# KiCad board helios-panel.kicad_pcb (continued)
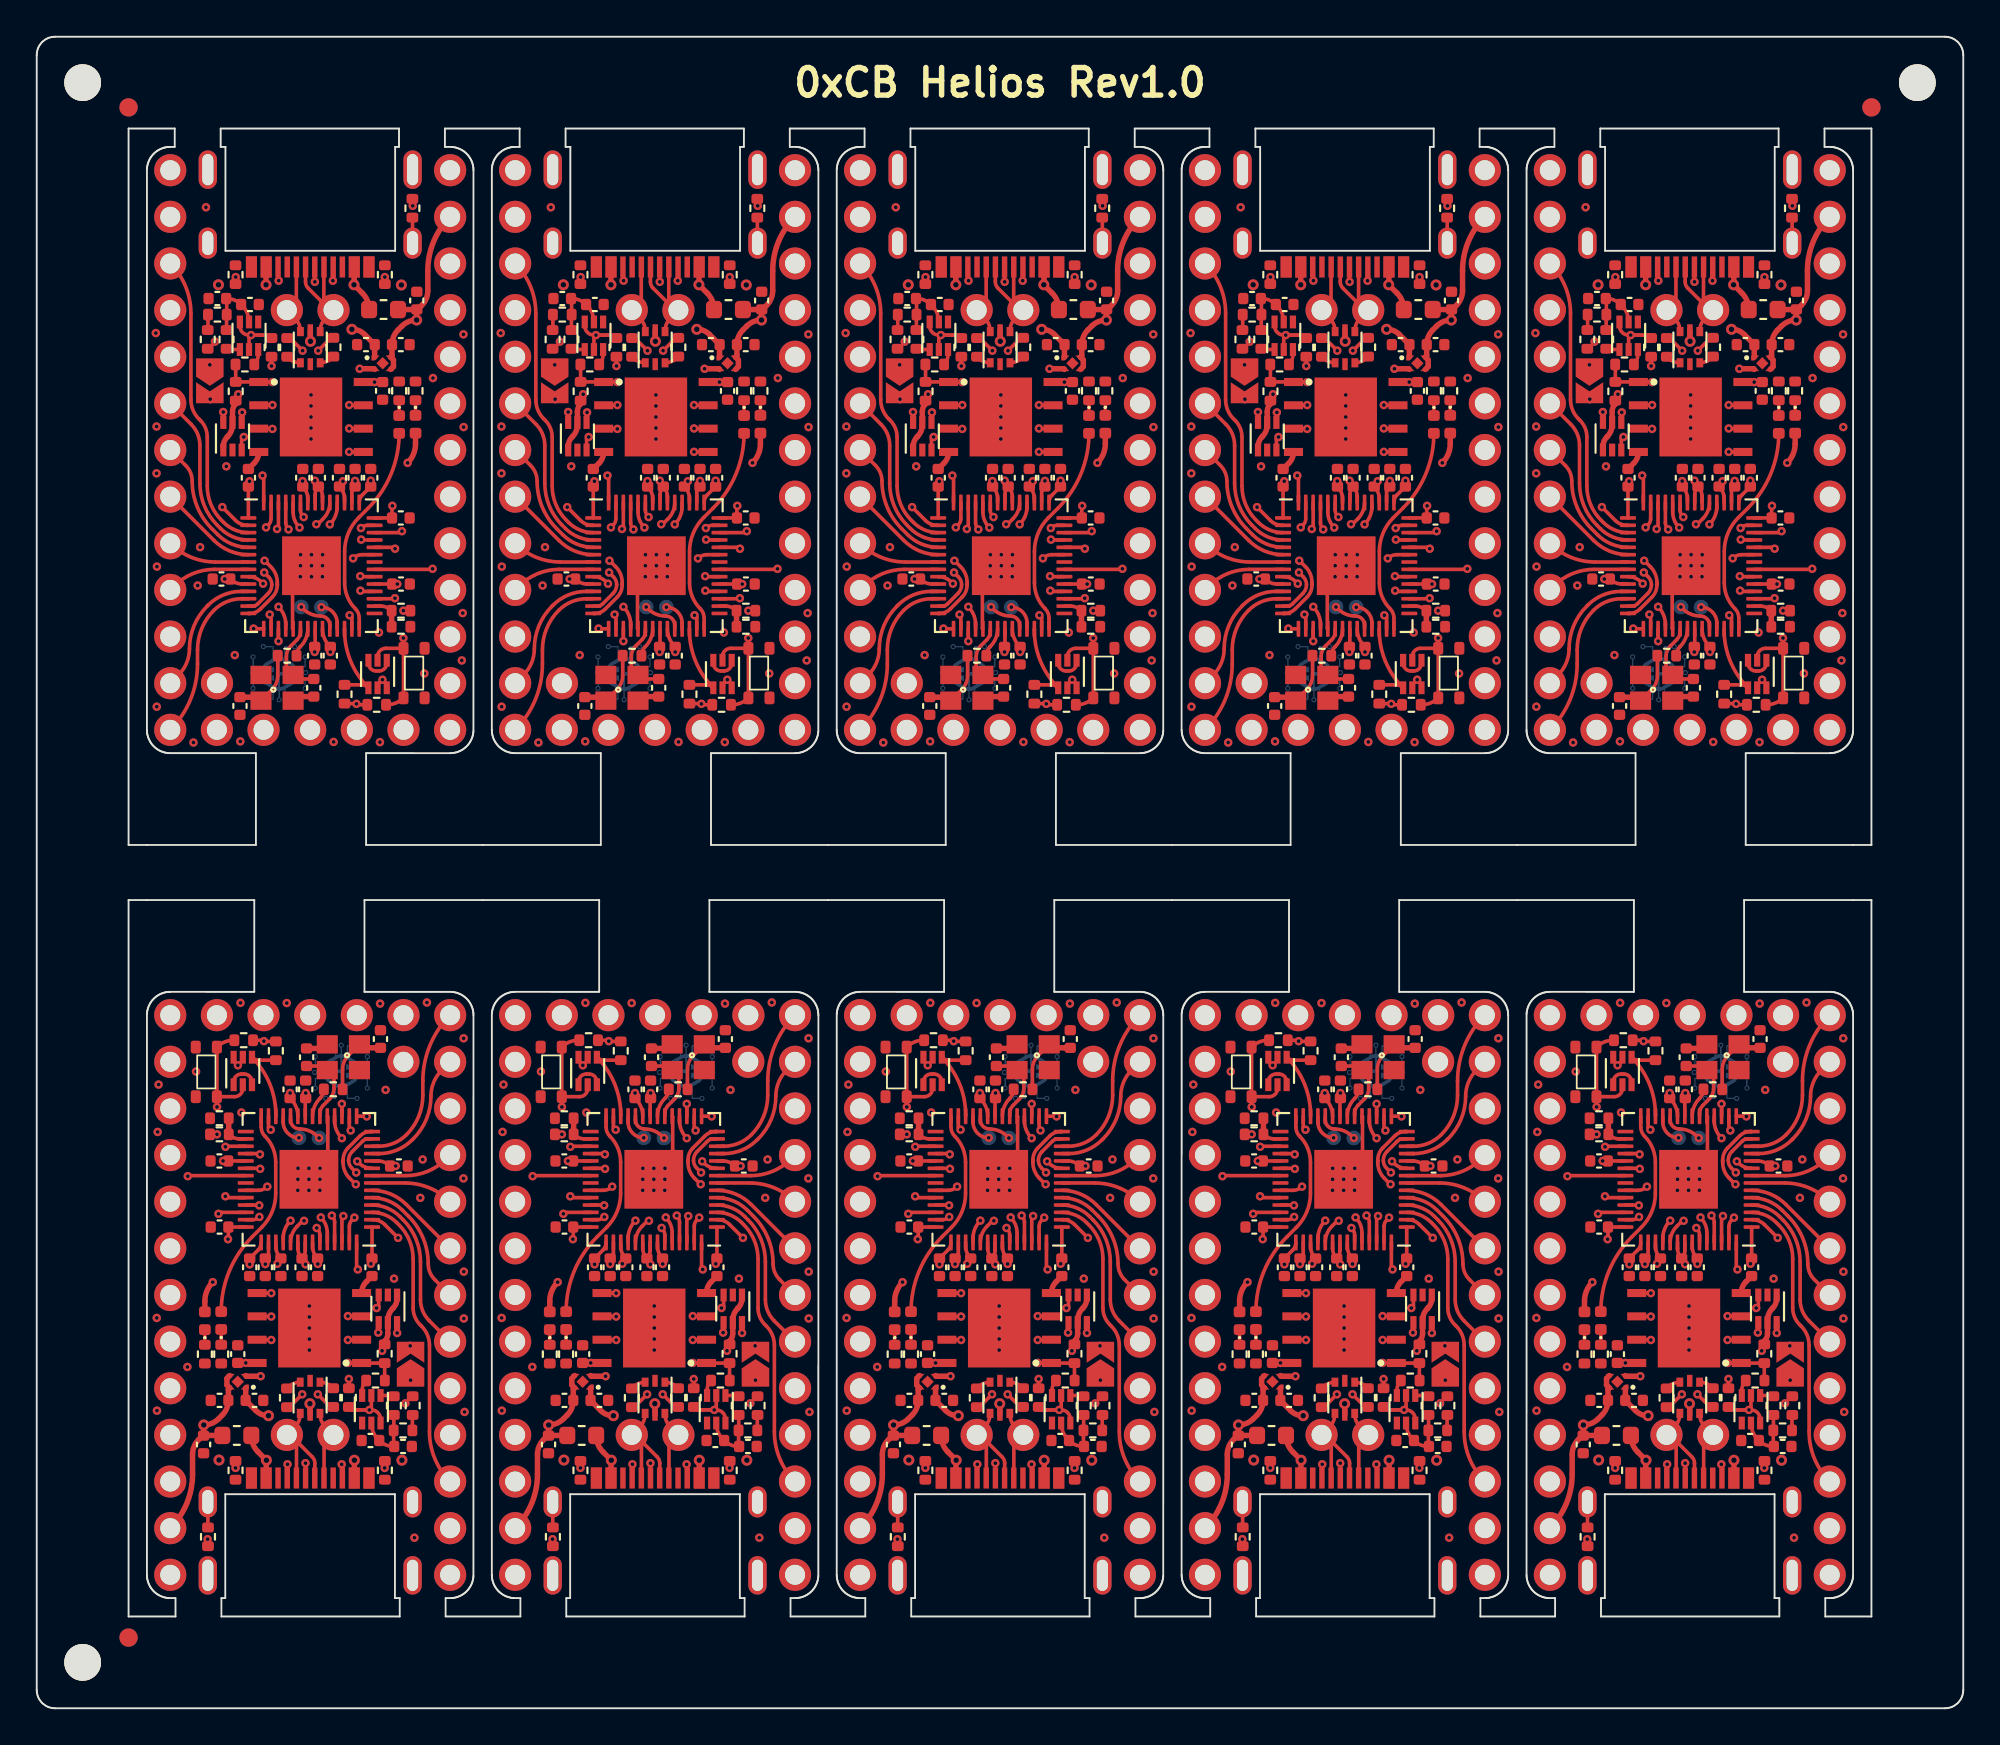
[diagram p0: board, top side]
## Placement (name value [footprint] x y rotation side) (continued)
R6#6  51K  [R_0402_1005Metric]  65.65 74.56 270 top
R6#7  51K  [R_0402_1005Metric]  95.59 16.48 90 top
R6#8  51K  [R_0402_1005Metric]  39.25 16.48 90 top
R6#9  51K  [R_0402_1005Metric]  84.43 74.56 270 top
R6#10  51K  [R_0402_1005Metric]  76.81 16.48 90 top
R7  5k1  [R_0402_1005Metric]  18.95 78.08 270 top
R7#2  5k1  [R_0402_1005Metric]  75.3 78.08 270 top
R7#3  5k1  [R_0402_1005Metric]  94.08 78.08 270 top
R7#4  5k1  [R_0402_1005Metric]  85.94 12.96 90 top
R7#5  5k1  [R_0402_1005Metric]  10.82 12.96 90 top
R7#6  5k1  [R_0402_1005Metric]  56.52 78.08 270 top
R7#7  5k1  [R_0402_1005Metric]  67.17 12.96 90 top
R7#8  5k1  [R_0402_1005Metric]  37.73 78.08 270 top
R7#9  5k1  [R_0402_1005Metric]  48.38 12.96 90 top
R7#10  5k1  [R_0402_1005Metric]  29.6 12.96 90 top
R8  5k1  [R_0402_1005Metric]  48.38 78.08 270 top
R8#2  5k1  [R_0402_1005Metric]  10.82 78.08 270 top
R8#3  5k1  [R_0402_1005Metric]  37.73 12.96 90 top
R8#4  5k1  [R_0402_1005Metric]  85.94 78.08 270 top
R8#5  5k1  [R_0402_1005Metric]  18.95 12.96 90 top
R8#6  5k1  [R_0402_1005Metric]  29.6 78.08 270 top
R8#7  5k1  [R_0402_1005Metric]  94.08 12.96 90 top
R8#8  5k1  [R_0402_1005Metric]  56.52 12.96 90 top
R8#9  5k1  [R_0402_1005Metric]  67.17 78.08 270 top
R8#10  5k1  [R_0402_1005Metric]  75.3 12.96 90 top
R9  1K  [R_0402_1005Metric]  93.56 17.85 180 top
R9#2  1K  [R_0402_1005Metric]  11.34 73.19 0 top
R9#3  1K  [R_0402_1005Metric]  74.78 17.85 180 top
R9#4  1K  [R_0402_1005Metric]  48.9 73.19 0 top
R9#5  1K  [R_0402_1005Metric]  67.67 73.19 0 top
R9#6  1K  [R_0402_1005Metric]  86.45 73.19 0 top
R9#7  1K  [R_0402_1005Metric]  37.23 17.85 180 top
R9#8  1K  [R_0402_1005Metric]  30.12 73.19 0 top
R9#9  1K  [R_0402_1005Metric]  56 17.85 180 top
R9#10  1K  [R_0402_1005Metric]  18.45 17.85 180 top
R10  1k  [R_0402_1005Metric]  27.94 19.29 270 top
R10#2  1k  [R_0402_1005Metric]  20.62 71.75 90 top
R10#3  1k  [R_0402_1005Metric]  9.16 19.29 270 top
R10#4  1k  [R_0402_1005Metric]  39.41 71.75 90 top
R10#5  1k  [R_0402_1005Metric]  76.97 71.75 90 top
R10#6  1k  [R_0402_1005Metric]  84.28 19.29 270 top
R10#7  1k  [R_0402_1005Metric]  95.75 71.75 90 top
R10#8  1k  [R_0402_1005Metric]  65.5 19.29 270 top
R10#9  1k  [R_0402_1005Metric]  46.72 19.29 270 top
R10#10  1k  [R_0402_1005Metric]  58.19 71.75 90 top
R11  10k  [R_0402_1005Metric]  48.4 71.73 90 top
R11#2  10k  [R_0402_1005Metric]  10.84 71.73 90 top
R11#3  10k  [R_0402_1005Metric]  18.95 19.31 270 top
R11#4  10k  [R_0402_1005Metric]  94.06 19.31 270 top
R11#5  10k  [R_0402_1005Metric]  85.95 71.73 90 top
R11#6  10k  [R_0402_1005Metric]  29.62 71.73 90 top
R11#7  10k  [R_0402_1005Metric]  75.28 19.31 270 top
R11#8  10k  [R_0402_1005Metric]  67.17 71.73 90 top
R11#9  10k  [R_0402_1005Metric]  37.73 19.31 270 top
R11#10  10k  [R_0402_1005Metric]  56.5 19.31 270 top
R12  27R  [R_0402_1005Metric]  88.75 74.12 90 top
R12#2  27R  [R_0402_1005Metric]  91.27 16.92 270 top
R12#3  27R  [R_0402_1005Metric]  16.14 16.92 270 top
R12#4  27R  [R_0402_1005Metric]  69.97 74.12 90 top
R12#5  27R  [R_0402_1005Metric]  34.92 16.92 270 top
R12#6  27R  [R_0402_1005Metric]  51.19 74.12 90 top
R12#7  27R  [R_0402_1005Metric]  72.48 16.92 270 top
R12#8  27R  [R_0402_1005Metric]  32.41 74.12 90 top
R12#9  27R  [R_0402_1005Metric]  53.7 16.92 270 top
R12#10  27R  [R_0402_1005Metric]  13.64 74.12 90 top
R13  27R  [R_0402_1005Metric]  16.16 74.13 90 top
R13#2  27R  [R_0402_1005Metric]  51.19 16.91 270 top
R13#3  27R  [R_0402_1005Metric]  69.97 16.91 270 top
R13#4  27R  [R_0402_1005Metric]  72.5 74.13 90 top
R13#5  27R  [R_0402_1005Metric]  88.75 16.91 270 top
R13#6  27R  [R_0402_1005Metric]  13.62 16.91 270 top
R13#7  27R  [R_0402_1005Metric]  53.72 74.13 90 top
R13#8  27R  [R_0402_1005Metric]  91.28 74.13 90 top
R13#9  27R  [R_0402_1005Metric]  32.41 16.91 270 top
R13#10  27R  [R_0402_1005Metric]  34.94 74.13 90 top
R14  1k  [R_0402_1005Metric]  88.75 57.33 0 top
R14#2  1k  [R_0402_1005Metric]  91.27 33.71 180 top
R14#3  1k  [R_0402_1005Metric]  13.64 57.33 0 top
R14#4  1k  [R_0402_1005Metric]  69.97 57.33 0 top
R14#5  1k  [R_0402_1005Metric]  72.48 33.71 180 top
R14#6  1k  [R_0402_1005Metric]  53.7 33.71 180 top
R14#7  1k  [R_0402_1005Metric]  34.92 33.71 180 top
R14#8  1k  [R_0402_1005Metric]  32.41 57.33 0 top
R14#9  1k  [R_0402_1005Metric]  16.14 33.71 180 top
R14#10  1k  [R_0402_1005Metric]  51.19 57.33 0 top
R15  1k  [R_0402_1005Metric]  76.08 71.75 90 top
R15#2  1k  [R_0402_1005Metric]  10.05 19.29 270 top
R15#3  1k  [R_0402_1005Metric]  57.3 71.75 90 top
R15#4  1k  [R_0402_1005Metric]  38.52 71.75 90 top
R15#5  1k  [R_0402_1005Metric]  47.6 19.29 270 top
R15#6  1k  [R_0402_1005Metric]  94.86 71.75 90 top
R15#7  1k  [R_0402_1005Metric]  66.39 19.29 270 top
R15#8  1k  [R_0402_1005Metric]  19.73 71.75 90 top
R15#9  1k  [R_0402_1005Metric]  28.83 19.29 270 top
R15#10  1k  [R_0402_1005Metric]  85.17 19.29 270 top
R16  5k1  [R_0402_1005Metric]  85.06 31.26 0 top
R16#2  5k1  [R_0402_1005Metric]  38.62 59.78 180 top
R16#3  5k1  [R_0402_1005Metric]  76.17 59.78 180 top
R16#4  5k1  [R_0402_1005Metric]  9.95 31.26 0 top
R16#5  5k1  [R_0402_1005Metric]  57.39 59.78 180 top
R16#6  5k1  [R_0402_1005Metric]  47.51 31.26 0 top
R16#7  5k1  [R_0402_1005Metric]  94.95 59.78 180 top
R16#8  5k1  [R_0402_1005Metric]  28.73 31.26 0 top
R16#9  5k1  [R_0402_1005Metric]  19.84 59.78 180 top
R16#10  5k1  [R_0402_1005Metric]  66.28 31.26 0 top
R17  10k  [R_0402_1005Metric]  85.06 32.14 180 top
R17#2  10k  [R_0402_1005Metric]  66.28 32.14 180 top
R17#3  10k  [R_0402_1005Metric]  19.84 58.91 0 top
R17#4  10k  [R_0402_1005Metric]  57.39 58.91 0 top
R17#5  10k  [R_0402_1005Metric]  9.95 32.14 180 top
R17#6  10k  [R_0402_1005Metric]  94.95 58.91 0 top
R17#7  10k  [R_0402_1005Metric]  76.17 58.91 0 top
R17#8  10k  [R_0402_1005Metric]  38.62 58.91 0 top
R17#9  10k  [R_0402_1005Metric]  28.73 32.14 180 top
R17#10  10k  [R_0402_1005Metric]  47.51 32.14 180 top
REF**  -  [Fiducial]  5 87.19 0 top
REF**#2  -  [NPTH]  2.5 88.54 0 top
REF**#3  -  [NPTH]  2.5 2.5 0 top
REF**#4  -  [Fiducial]  5 3.85 0 top
REF**#5  -  [Fiducial]  99.9 87.19 0 top
REF**#6  -  [NPTH]  102.4 88.54 0 top
REF**#7  -  [Fiducial]  5 87.19 0 bottom
REF**#8  -  [LOGO]  90.11 33.08 0 bottom
REF**#9  -  [LOGO]  52.56 33.08 0 bottom
REF**#10  -  [LOGO]  15 33.08 0 bottom
REF**#11  -  [Fiducial]  5 3.85 0 bottom
REF**#12  -  [LOGO]  14.79 57.96 180 bottom
REF**#13  -  [LOGO]  33.77 33.08 0 bottom
REF**#14  -  [LOGO]  71.33 33.08 0 bottom
REF**#15  -  [LOGO]  89.91 57.96 180 bottom
REF**#16  -  [LOGO]  33.56 57.96 180 bottom
REF**#17  -  [Fiducial]  99.9 87.19 0 bottom
REF**#18  -  [LOGO]  71.12 57.96 180 bottom
REF**#19  -  [LOGO]  52.34 57.96 180 bottom
SW1  SWITCH  [1.9x2.8mm SW]  46.8 34.66 90 top
SW1#2  SWITCH  [1.9x2.8mm SW]  28.02 34.66 90 top
SW1#3  SWITCH  [1.9x2.8mm SW]  20.55 56.38 270 top
SW1#4  SWITCH  [1.9x2.8mm SW]  65.58 34.66 90 top
SW1#5  SWITCH  [1.9x2.8mm SW]  95.67 56.38 270 top
SW1#6  SWITCH  [1.9x2.8mm SW]  84.36 34.66 90 top
SW1#7  SWITCH  [1.9x2.8mm SW]  76.89 56.38 270 top
SW1#8  SWITCH  [1.9x2.8mm SW]  58.11 56.38 270 top
SW1#9  SWITCH  [1.9x2.8mm SW]  9.23 34.66 90 top
SW1#10  SWITCH  [1.9x2.8mm SW]  39.33 56.38 270 top
TP1  CLK  [TestPoint_Pad_D0.8mm]  89.53 59.98 180 bottom
TP1#2  CLK  [TestPoint_Pad_D0.8mm]  70.75 59.98 180 bottom
TP1#3  CLK  [TestPoint_Pad_D0.8mm]  34.16 31.06 0 bottom
TP1#4  CLK  [TestPoint_Pad_D0.8mm]  51.97 59.98 180 bottom
TP1#5  CLK  [TestPoint_Pad_D0.8mm]  15.38 31.06 0 bottom
TP1#6  CLK  [TestPoint_Pad_D0.8mm]  71.72 31.06 0 bottom
TP1#7  CLK  [TestPoint_Pad_D0.8mm]  33.19 59.98 180 bottom
TP1#8  CLK  [TestPoint_Pad_D0.8mm]  52.94 31.06 0 bottom
TP1#9  CLK  [TestPoint_Pad_D0.8mm]  90.5 31.06 0 bottom
TP1#10  CLK  [TestPoint_Pad_D0.8mm]  14.41 59.98 180 bottom
TP2  DIO  [TestPoint_Pad_D0.8mm]  34.28 59.97 180 bottom
TP2#2  DIO  [TestPoint_Pad_D0.8mm]  51.83 31.07 0 bottom
TP2#3  DIO  [TestPoint_Pad_D0.8mm]  71.84 59.97 180 bottom
TP2#4  DIO  [TestPoint_Pad_D0.8mm]  53.06 59.97 180 bottom
TP2#5  DIO  [TestPoint_Pad_D0.8mm]  89.39 31.07 0 bottom
TP2#6  DIO  [TestPoint_Pad_D0.8mm]  14.27 31.07 0 bottom
TP2#7  DIO  [TestPoint_Pad_D0.8mm]  70.61 31.07 0 bottom
TP2#8  DIO  [TestPoint_Pad_D0.8mm]  15.5 59.97 180 bottom
TP2#9  DIO  [TestPoint_Pad_D0.8mm]  90.62 59.97 180 bottom
TP2#10  DIO  [TestPoint_Pad_D0.8mm]  33.05 31.07 0 bottom
U1  USBLC6-2P6  [SOT-666]  71.22 16.91 270 top
U1#2  USBLC6-2P6  [SOT-666]  33.66 16.91 270 top
U1#3  USBLC6-2P6  [SOT-666]  14.89 74.13 90 top
U1#4  USBLC6-2P6  [SOT-666]  14.89 16.91 270 top
U1#5  USBLC6-2P6  [SOT-666]  90 16.91 270 top
U1#6  USBLC6-2P6  [SOT-666]  52.44 16.91 270 top
U1#7  USBLC6-2P6  [SOT-666]  33.67 74.13 90 top
U1#8  USBLC6-2P6  [SOT-666]  52.45 74.13 90 top
U1#9  USBLC6-2P6  [SOT-666]  71.23 74.13 90 top
U1#10  USBLC6-2P6  [SOT-666]  90.02 74.13 90 top
U2  LP5907SNX-3.3-NOPB  [X2SON-4]  75.17 73.26 0 top
U2#2  LP5907SNX-3.3-NOPB  [X2SON-4]  37.62 73.26 0 top
U2#3  LP5907SNX-3.3-NOPB  [X2SON-4]  10.95 17.79 180 top
U2#4  LP5907SNX-3.3-NOPB  [X2SON-4]  86.06 17.79 180 top
U2#5  LP5907SNX-3.3-NOPB  [X2SON-4]  29.73 17.79 180 top
U2#6  LP5907SNX-3.3-NOPB  [X2SON-4]  67.28 17.79 180 top
U2#7  LP5907SNX-3.3-NOPB  [X2SON-4]  93.95 73.26 0 top
U2#8  LP5907SNX-3.3-NOPB  [X2SON-4]  48.51 17.79 180 top
U2#9  LP5907SNX-3.3-NOPB  [X2SON-4]  18.84 73.26 0 top
U2#10  LP5907SNX-3.3-NOPB  [X2SON-4]  56.39 73.26 0 top
U3  -  [W25Q128JVPIQ]  52.5 70.33 0 top
U3#2  -  [W25Q128JVPIQ]  52.41 20.71 180 top
U3#3  -  [W25Q128JVPIQ]  89.97 20.71 180 top
U3#4  -  [W25Q128JVPIQ]  90.06 70.33 0 top
U3#5  -  [W25Q128JVPIQ]  14.93 70.33 0 top
U3#6  -  [W25Q128JVPIQ]  14.84 20.71 180 top
U3#7  -  [W25Q128JVPIQ]  71.19 20.71 180 top
U3#8  -  [W25Q128JVPIQ]  71.28 70.33 0 top
U3#9  -  [W25Q128JVPIQ]  33.62 20.71 180 top
U3#10  -  [W25Q128JVPIQ]  33.72 70.33 0 top
U4  RP2040  [QFN-56-1EP_7x7mm_P0.4mm_EP3.2x3.2mm]  33.6 28.81 180 top
U4#2  RP2040  [QFN-56-1EP_7x7mm_P0.4mm_EP3.2x3.2mm]  52.52 62.23 0 top
U4#3  RP2040  [QFN-56-1EP_7x7mm_P0.4mm_EP3.2x3.2mm]  89.94 28.81 180 top
U4#4  RP2040  [QFN-56-1EP_7x7mm_P0.4mm_EP3.2x3.2mm]  52.38 28.81 180 top
U4#5  RP2040  [QFN-56-1EP_7x7mm_P0.4mm_EP3.2x3.2mm]  71.16 28.81 180 top
U4#6  RP2040  [QFN-56-1EP_7x7mm_P0.4mm_EP3.2x3.2mm]  90.08 62.23 0 top
U4#7  RP2040  [QFN-56-1EP_7x7mm_P0.4mm_EP3.2x3.2mm]  71.3 62.23 0 top
U4#8  RP2040  [QFN-56-1EP_7x7mm_P0.4mm_EP3.2x3.2mm]  33.74 62.23 0 top
U4#9  RP2040  [QFN-56-1EP_7x7mm_P0.4mm_EP3.2x3.2mm]  14.82 28.81 180 top
U4#10  RP2040  [QFN-56-1EP_7x7mm_P0.4mm_EP3.2x3.2mm]  14.96 62.23 0 top
U5  74LVC1T45  [SOT-563]  48.22 69.28 90 top
U5#2  74LVC1T45  [SOT-563]  10.66 69.28 90 top
U5#3  74LVC1T45  [SOT-563]  19.12 21.76 270 top
U5#4  74LVC1T45  [SOT-563]  29.44 69.28 90 top
U5#5  74LVC1T45  [SOT-563]  37.9 21.76 270 top
U5#6  74LVC1T45  [SOT-563]  94.24 21.76 270 top
U5#7  74LVC1T45  [SOT-563]  67 69.28 90 top
U5#8  74LVC1T45  [SOT-563]  56.68 21.76 270 top
U5#9  74LVC1T45  [SOT-563]  75.46 21.76 270 top
U5#10  74LVC1T45  [SOT-563]  85.78 69.28 90 top
Y1  12MHz  [Crystal_SMD_2520-4Pin_2.5x2.0mm]  50.64 55.58 0 top
Y1#2  12MHz  [Crystal_SMD_2520-4Pin_2.5x2.0mm]  13.09 55.58 0 top
Y1#3  12MHz  [Crystal_SMD_2520-4Pin_2.5x2.0mm]  69.42 55.58 0 top
Y1#4  12MHz  [Crystal_SMD_2520-4Pin_2.5x2.0mm]  91.81 35.46 180 top
Y1#5  12MHz  [Crystal_SMD_2520-4Pin_2.5x2.0mm]  31.87 55.58 0 top
Y1#6  12MHz  [Crystal_SMD_2520-4Pin_2.5x2.0mm]  16.7 35.46 180 top
Y1#7  12MHz  [Crystal_SMD_2520-4Pin_2.5x2.0mm]  54.25 35.46 180 top
Y1#8  12MHz  [Crystal_SMD_2520-4Pin_2.5x2.0mm]  35.48 35.46 180 top
Y1#9  12MHz  [Crystal_SMD_2520-4Pin_2.5x2.0mm]  88.2 55.58 0 top
Y1#10  12MHz  [Crystal_SMD_2520-4Pin_2.5x2.0mm]  73.03 35.46 180 top

## Library data of the parts
C1 C1#2-C1#10 = -: JLC Basic: Y; LCSC: C23733; MPN : CL05A475MP5NRNC; Manufacturer: Samsung Electro-Mechanics; Substitute: Y
C2 C2#2-C2#10 C3 C3#2-C3#10 C4 C4#2-C4#10 C5 C5#2-C5#10 = -: JLC Basic: Y; LCSC: C15525; MPN : CL05A106MQ5NUNC; Manufacturer: Samsung Electro-Mechanics; Substitute: Y
C6 C6#2-C6#10 C11 C11#2-C11#10 C12 C12#2-C12#10 C13 C13#2-C13#10 C14 C14#2-C14#10 C15 C15#2-C15#10 C16 C16#2-C16#10 C17 C17#2-C17#10 C18 C18#2-C18#10 C19 C19#2-C19#10 = -: JLC Basic: Y; LCSC: C1525; MPN : CL05B104KO5NNNC; Manufacturer: Samsung Electro-Mechanics; Substitute: Y
C7 C7#2-C7#10 C8 C8#2-C8#10 = -: JLC Basic: Y; LCSC: C1548; MPN : 0402CG150J500NT; Manufacturer: FH(Guangdong Fenghua Advanced Tech); Substitute: Y
C9 C9#2-C9#10 C10 C10#2-C10#10 = -: JLC Basic: Y; LCSC: C52923; MPN : CL05A105KA5NQNC; Manufacturer: Samsung Electro-Mechanics; Substitute: Y
D1 D1#2-D1#10 = -: JLC Basic: N; LCSC: C130719; MPN : NCD0402R1; Manufacturer: Foshan-NationStar-Optoelectronics; Substitute: Y
D2 D2#2-D2#10 = -: JLC Basic: N; LCSC: C130724; MPN : NCD0402B1; Manufacturer: Foshan-NationStar-Optoelectronics; Substitute: Y
F1 F1#2-F1#10 = -: JLC Basic: N; LCSC: C210357; MPN : MF-FSMF050X-2; Manufacturer: BOURNS; Substitute: Y
FB1 FB1#2-FB1#10 = -: JLC Basic: N; LCSC: C160977; MPN : BLM15PX601SN1D; Manufacturer: Murata Electronics; Substitute: Y
J1 J1#2-J1#10 = -: JLC Basic: N; LCSC: C963373; MPN : GT-USB-7014C; Manufacturer: G-Switch; Substitute: N
J2 = -: Field5: D-; Field6: D1; Field7: B4; Field8: E6; Field9: GND; Field10: D7; Field11: B2; Field12: B0; Field13: B1; Field14: RST; Field15: D3; Field16: F0; Field17: B3; Field18: F1; Field19: VBUS; Field20: B5; Field21: E0; Field22: B7; Field23: F5; Field24: C6; Field25: B6; Field26: VCC; Field27: F7; Field28: D2; Field29: D4; Field30: F4; Field31: F6; Field32: C7; Field33: D+; Field34: D0; Field35: D5; Field36: D6
J2#2 = -: Field5: D7; Field6: B0; Field7: C6; Field8: B2; Field9: D6; Field10: VBUS; Field11: F4; Field12: GND; Field13: C7; Field14: D2; Field15: E0; Field16: F1; Field17: D-; Field18: D5; Field19: B1; Field20: E6; Field21: D3; Field22: B4; Field23: VCC; Field24: B5; Field25: D1; Field26: D0; Field27: D+; Field28: B3; Field29: F7; Field30: F5; Field31: F0; Field32: RST; Field33: B6; Field34: F6; Field35: D4; Field36: B7
J2#3 = -: Field5: F1; Field6: VBUS; Field7: D2; Field8: B2; Field9: D1; Field10: B5; Field11: D5; Field12: B3; Field13: D0; Field14: C6; Field15: F0; Field16: F7; Field17: B7; Field18: B0; Field19: RST; Field20: VCC; Field21: D-; Field22: D+; Field23: C7; Field24: D7; Field25: F4; Field26: F5; Field27: B6; Field28: F6; Field29: E6; Field30: E0; Field31: D3; Field32: D4; Field33: B4; Field34: D6; Field35: GND; Field36: B1
J2#4 = -: Field5: F4; Field6: B4; Field7: D-; Field8: F1; Field9: B2; Field10: F7; Field11: RST; Field12: B0; Field13: B5; Field14: F0; Field15: D5; Field16: B6; Field17: VBUS; Field18: E0; Field19: D7; Field20: B1; Field21: B7; Field22: GND; Field23: C7; Field24: D0; Field25: D3; Field26: D+; Field27: C6; Field28: D6; Field29: D1; Field30: B3; Field31: D4; Field32: D2; Field33: F6; Field34: F5; Field35: E6; Field36: VCC
J2#5 = -: Field5: F6; Field6: E6; Field7: B0; Field8: D1; Field9: RST; Field10: B2; Field11: B4; Field12: B5; Field13: D-; Field14: D5; Field15: VCC; Field16: C7; Field17: D6; Field18: VBUS; Field19: D2; Field20: D0; Field21: B7; Field22: F0; Field23: D7; Field24: B3; Field25: D3; Field26: F1; Field27: GND; Field28: F4; Field29: D4; Field30: B6; Field31: C6; Field32: B1; Field33: F7; Field34: F5; Field35: E0; Field36: D+
J2#6 = -: Field5: GND; Field6: VCC; Field7: F7; Field8: D2; Field9: D0; Field10: D3; Field11: E6; Field12: B4; Field13: D+; Field14: B7; Field15: D7; Field16: F0; Field17: C6; Field18: RST; Field19: B3; Field20: D4; Field21: E0; Field22: B1; Field23: F4; Field24: D-; Field25: F5; Field26: C7; Field27: D6; Field28: D5; Field29: D1; Field30: B2; Field31: B5; Field32: F6; Field33: VBUS; Field34: B6; Field35: B0; Field36: F1
J2#7 = -: Field5: F5; Field6: B5; Field7: F1; Field8: F6; Field9: C6; Field10: B2; Field11: B6; Field12: D5; Field13: D3; Field14: D1; Field15: D4; Field16: RST; Field17: B7; Field18: C7; Field19: B1; Field20: D7; Field21: F7; Field22: GND; Field23: E0; Field24: B3; Field25: D0; Field26: B0; Field27: F4; Field28: D2; Field29: E6; Field30: F0; Field31: D-; Field32: B4; Field33: D+; Field34: D6; Field35: VCC; Field36: VBUS
J2#8 = -: Field5: F7; Field6: D-; Field7: D2; Field8: B2; Field9: D1; Field10: B3; Field11: F4; Field12: C6; Field13: D3; Field14: E6; Field15: B1; Field16: VCC; Field17: GND; Field18: F1; Field19: D+; Field20: B5; Field21: B0; Field22: F5; Field23: VBUS; Field24: B4; Field25: C7; Field26: E0; Field27: F0; Field28: F6; Field29: D7; Field30: RST; Field31: D6; Field32: B7; Field33: D4; Field34: D5; Field35: D0; Field36: B6
J2#9 = -: Field5: F7; Field6: B1; Field7: D+; Field8: D6; Field9: VCC; Field10: D-; Field11: D2; Field12: B0; Field13: GND; Field14: F4; Field15: B2; Field16: D0; Field17: F0; Field18: D1; Field19: E0; Field20: VBUS; Field21: C6; Field22: B4; Field23: D4; Field24: F5; Field25: E6; Field26: B5; Field27: B6; Field28: D5; Field29: D7; Field30: B7; Field31: B3; Field32: F6; Field33: F1; Field34: C7; Field35: RST; Field36: D3
J2#10 = -: Field5: F5; Field6: B7; Field7: B2; Field8: D2; Field9: B1; Field10: B4; Field11: E6; Field12: D7; Field13: GND; Field14: D+; Field15: F6; Field16: E0; Field17: B3; Field18: B6; Field19: D0; Field20: F0; Field21: F1; Field22: D1; Field23: VBUS; Field24: F4; Field25: D-; Field26: F7; Field27: D3; Field28: C7; Field29: B5; Field30: VCC; Field31: C6; Field32: D6; Field33: D4; Field34: D5; Field35: B0; Field36: RST
Q1 Q1#2-Q1#10 Q2 Q2#2-Q2#10 = -: JLC Basic: N; JLCPCB_CORRECTION: 90; LCSC: C504145; MPN : 2N7002V; Manufacturer: Diodes Incorporated; Substitute: Y
R1 R1#2-R1#10 R2 R2#2-R2#10 R3 R3#2-R3#10 R11 R11#2-R11#10 R17 R17#2-R17#10 = -: JLC Basic: Y; LCSC: C25744; MPN : 0402WGF1002TCE; Manufacturer: UNI-ROYAL(Uniroyal Elec); Substitute: Y
R4 R4#2-R4#10 R5 R5#2-R5#10 R6 R6#2-R6#10 = -: JLC Basic: Y; LCSC: C25794; MPN : 0402WGF5102TCE; Manufacturer: UNI-ROYAL(Uniroyal Elec); Substitute: Y
R7 R7#2-R7#10 R8 R8#2-R8#10 R16 R16#2-R16#10 = -: JLC Basic: Y; LCSC: C25905; MPN : 0402WGF5101TCE; Manufacturer: UNI-ROYAL(Uniroyal Elec); Substitute: Y
R9 R9#2-R9#10 R10 R10#2-R10#10 R14 R14#2-R14#10 R15 R15#2-R15#10 = -: JLC Basic: Y; LCSC: C11702; MPN : 0402WGF1001TCE; Manufacturer: UNI-ROYAL(Uniroyal Elec); Substitute: Y
R12 R12#2-R12#10 R13 R13#2-R13#10 = -: JLC Basic: N; LCSC: C25100; MPN : 0402WGF270JTCE; Manufacturer: UNI-ROYAL(Uniroyal Elec); Substitute: Y
SW1 SW1#2-SW1#10 = -: JLC Basic: N; LCSC: C589221; MPN : ST-1194; Manufacturer: RI SHENG; Substitute: N
U1 U1#2-U1#10 = -: JLC Basic: N; JLCPCB_CORRECTION: 90; LCSC: C2827693; Manufacturer: TECH PUBLIC; Substitute: N
U2 U2#2-U2#10 = -: JLC Basic: N; JLCPCB_CORRECTION: 90; LCSC: C133572; Manufacturer: Texas Instruments; Substitute: N
U3 U3#2-U3#10 = -: JLC Basic: N; JLCPCB_CORRECTION: 90; LCSC: C190862; Manufacturer: Winbond; Substitute: N
U4 U4#2-U4#10 = -: JLC Basic: N; LCSC: C2040; Manufacturer: Raspberry Pi; Substitute: N
U5 U5#2-U5#10 = -: JLC Basic: N; JLCPCB_CORRECTION: 90; LCSC: C352970; MPN : SN74LVC1T45DRLR; Manufacturer: Texas Instruments; Substitute: N
Y1 Y1#2-Y1#10 = -: JLC Basic: N; LCSC: C2149204; MPN : 2TJ412000HYGBC; Manufacturer: JYJE; Substitute: N

## Footprints (pads in the part's own frame, mm; a bottom-side part is the same pattern mirrored in y, then rotated)
1.9x2.8mm SW
  rrect 0.7x0.55 smd: 1(-1.35,0.575) 1(1.35,0.575) 2(-1.35,-0.575) 2(1.35,-0.575)
C_0402_1005Metric
  rrect 0.56x0.62 smd: 1(-0.48,0) 2(0.48,0)
Crystal_SMD_2520-4Pin_2.5x2.0mm
  rect 1.15x1 smd: 1(-0.875,-0.7) 2(0.875,-0.7) 3(0.875,0.7) 4(-0.875,0.7)
D_0402_1005Metric
  rrect 0.59x0.64 smd: 1(-0.485,0) 2(0.485,0)
Fiducial
  round 1 smd: (0,0)
Fuse_0603_1608Metric
  rrect 0.875x0.95 smd: 1(-0.787,0) 2(0.787,0)
GT-USB-7014C
  rect 0.6x1.15 smd: A1(-3.175,2.65) A4(-2.375,2.65) A9(2.425,2.65) A12(3.225,2.65) B1(3.225,2.65) B4(2.425,2.65) B9(-2.375,2.65) B12(-3.175,2.65)
  rect 0.3x1.15 smd: A5(-1.225,2.65) A6(-0.225,2.65) A7(0.275,2.65) A8(1.275,2.65) B5(1.775,2.65) B6(0.775,2.65) B7(-0.725,2.65) B8(-1.725,2.65)
  oval 1x1.7 hole 0.6x1.3: S1(-5.55,1.35) S2(5.6,1.35)
  oval 1x2.1 hole 0.6x1.7: S3(5.6,-2.65) S4(-5.55,-2.65)
helios
  round 1.753 hole 1.092: 1(-7.62,16.51) 2(-7.62,13.97) 3(-7.62,11.43) 4(-7.62,8.89) 5(-7.62,6.35) 6(-7.62,3.81) 7(-7.62,1.27) 8(-7.62,-1.27) 9(-7.62,-3.81) 10(-7.62,-6.35) 11(-7.62,-8.89) 12(-7.62,-11.43) 13(-7.62,-13.97) 14(-5.08,-13.97) 15(-2.54,-13.97) 16(0,-13.97) 17(2.54,-13.97) 18(5.08,-13.97) 19(7.62,-13.97) 20(7.62,-11.43) 21(7.62,-8.89) 22(7.62,-6.35) 23(7.62,-3.81) 24(7.62,-1.27) 25(7.62,1.27) 26(7.62,3.81) 27(7.62,6.35) 28(7.62,8.89) 29(7.62,11.43) 30(7.62,13.97) 31(7.62,16.51) 32(-5.075,-11.43) 33(1.27,8.89) 34(-1.27,8.89)
NPTH
  round 2 hole 2 unplated: (0,0)
QFN-56-1EP_7x7mm_P0.4mm_EP3.2x3.2mm
  rrect 1.29x1.29 smd: (-0.8,0.8) (-0.8,-0.8) (0.8,0.8) (0.8,-0.8)
  rrect 0.875x0.2 smd: 1(-3.438,2.6) 2(-3.438,2.2) 3(-3.438,1.8) 4(-3.438,1.4) 5(-3.438,1) 6(-3.438,0.6) 7(-3.438,0.2) 8(-3.438,-0.2) 9(-3.438,-0.6) 10(-3.438,-1) 11(-3.438,-1.4) 12(-3.438,-1.8) 13(-3.438,-2.2) 14(-3.438,-2.6) 29(3.438,-2.6) 30(3.438,-2.2) 31(3.438,-1.8) 32(3.438,-1.4) 33(3.438,-1) 34(3.438,-0.6) 35(3.438,-0.2) 36(3.438,0.2) 37(3.438,0.6) 38(3.438,1) 39(3.438,1.4) 40(3.438,1.8) 41(3.438,2.2) 42(3.438,2.6)
  rrect 0.2x0.875 smd: 15(-2.6,-3.438) 16(-2.2,-3.438) 17(-1.8,-3.438) 18(-1.4,-3.438) 19(-1,-3.438) 20(-0.6,-3.438) 21(-0.2,-3.438) 22(0.2,-3.438) 23(0.6,-3.438) 24(1,-3.438) 25(1.4,-3.438) 26(1.8,-3.438) 27(2.2,-3.438) 28(2.6,-3.438) 43(2.6,3.438) 44(2.2,3.438) 45(1.8,3.438) 46(1.4,3.438) 47(1,3.438) 48(0.6,3.438) 49(0.2,3.438) 50(-0.2,3.438) 51(-0.6,3.438) 52(-1,3.438) 53(-1.4,3.438) 54(-1.8,3.438) 55(-2.2,3.438) 56(-2.6,3.438)
  rect 3.2x3.2 smd: 57(0,0)
R_0402_1005Metric
  rrect 0.54x0.64 smd: 1(-0.51,0) 2(0.51,0)
SolderJumper-2_P1.3mm_Open_TrianglePad1.0x1.5mm
  custom 1.5x1.5 smd: 1(-0.725,0)
  custom 1.15x1.5 smd: 2(0.725,0)
SOT-563
  rect 0.7x0.34 smd: 1(-0.75,0.5) 2(-0.75,0) 3(-0.75,-0.5) 4(0.75,-0.5) 5(0.75,0) 6(0.75,0.5)
SOT-666
  rect 0.5x0.375 smd: 1(-0.85,0.537) 3(-0.85,-0.537) 4(0.85,-0.537) 6(0.85,0.537)
  rect 0.65x0.3 smd: 2(-0.925,0) 5(0.925,0)
TestPoint_Pad_D0.8mm
  round 0.8 smd: 1(0,0)
W25Q128JVPIQ
  rrect 1.04x0.44 smd: 1(-2.845,1.905) 2(-2.845,0.635) 3(-2.845,-0.635) 4(-2.845,-1.905) 5(2.845,-1.905) 6(2.845,-0.635) 7(2.845,0.635) 8(2.845,1.905)
  rect 3.4x4.3 smd: 9(0,0)
X2SON-4
  custom 0.425x0.28 smd: 1(-0.435,0.335) 2(-0.435,-0.335) 3(0.435,-0.335) 4(0.435,0.335)
  rect 0.48x0.48 smd rot 135: 5(0,0)

## Nets
Board_0-/VBUS_DETECT: R16#9.2 R17#3.1 U4#10.30
Board_1-/VBUS_DETECT: R16#2.2 R17#8.1 U4#8.30
Board_2-/VBUS_DETECT: R16#5.2 R17#4.1 U4#2.30
Board_3-/VBUS_DETECT: R16#3.2 R17#7.1 U4#7.30
Board_4-/VBUS_DETECT: R16#7.2 R17#6.1 U4#6.30
Board_5-/VBUS_DETECT: R16#4.2 R17#5.1 U4#9.30
Board_6-/VBUS_DETECT: R16#8.2 R17#9.1 U4.30
Board_7-/VBUS_DETECT: R16#6.2 R17#10.1 U4#4.30
Board_8-/VBUS_DETECT: R16#10.2 R17#2.1 U4#5.30
Board_9-/VBUS_DETECT: R16.2 R17.1 U4#3.30
Board_0-+1V1: C10#2.2 C17#6.1 C19#3.1 U4#10.23 U4#10.45 U4#10.50
Board_0-+3V3: C5#8.1 C6#9.1 C9#8.2 C11#10.1 C12#2.1 C13#4.1 C14#6.1 C15#3.1 C16#8.1 C18.1 J2#3.27 JP1#9.1 R1#6.1 R2#3.1 R3.1 R11#2.1 U2#9.1 U3#5.8 U4#10.1 U4#10.10 U4#10.22 U4#10.33 U4#10.42 U4#10.43 U4#10.44 U4#10.48 U4#10.49 U5#2.1 U5#2.5
Board_0-+5V: C3#8.1 C4#10.1 F1#10.2 J2#3.30 U1#3.5 U2#9.3 U2#9.4 U5#2.6
Board_0-/0_TX0: J2#3.2 U4#10.2
Board_0-/1_RX0: J2#3.3 U4#10.3
Board_0-/2_SDA1: J2#3.6 U4#10.4
Board_0-/3_SCL1: J2#3.7 U4#10.5
Board_0-/4: J2#3.8 U4#10.6
Board_0-/5: J2#3.9 U4#10.7
Board_0-/6: J2#3.10 U4#10.8
Board_0-/7: J2#3.11 U4#10.9
Board_0-/8: J2#3.12 U4#10.11
Board_0-/9: J2#3.13 U4#10.12
Board_0-/10: J2#3.1 U4#10.13
Board_0-/11: J2#3.31 U4#10.14
Board_0-/12: J2#3.14 U4#10.15
Board_0-/13: J2#3.15 U4#10.16
Board_0-/14: J2#3.16 U4#10.17
Board_0-/15: J2#3.17 U4#10.18
Board_0-/16: J2#3.18 U4#10.27
Board_0-/20_SDI: J2#3.21 U4#10.31
Board_0-/21_CS: J2#3.19 U4#10.32
Board_0-/22_SCK: J2#3.22 U4#10.34
Board_0-/23_SDO: J2#3.20 U4#10.35
Board_0-/A0: J2#3.23 U4#10.38
Board_0-/A1: J2#3.24 U4#10.39
Board_0-/A2: J2#3.25 U4#10.40
Board_0-/A3: J2#3.26 U4#10.41
Board_0-/BOOT: Q2#3.3 R9#2.2
Board_0-/D+: R12#10.2 U4#10.47
Board_0-/D-: R13.2 U4#10.46
Board_0-/LED: D2#4.2 U4#10.28
Board_0-/PORT+: J1#7.A6 J1#7.B6 J2#3.34 U1#3.6
Board_0-/PORT-: J1#7.A7 J1#7.B7 J2#3.33 U1#3.4
Board_0-/QSPI_CLK: U3#5.6 U4#10.52
Board_0-/QSPI_CS: R9#2.1 R11#2.2 U3#5.1 U4#10.56
Board_0-/QSPI_SD0: U3#5.5 U4#10.53
Board_0-/QSPI_SD1: U3#5.2 U4#10.55
Board_0-/QSPI_SD2: U3#5.3 U4#10.54
Board_0-/QSPI_SD3: U3#5.7 U4#10.51
Board_0-/RESET: J2#3.28 Q1#7.2 R1#6.2 SW1#3.2
Board_0-/RGB_5V: J2#3.32 U5#2.4
Board_0-/RGB_DO: U4#10.37 U5#2.3
Board_0-/RST: Q1#7.4 R3.2 U4#10.26
Board_0-/SWD_CLK: TP1#10.1 U4#10.24
Board_0-/SWD_IO: TP2#8.1 U4#10.25
Board_0-/USB+: R12#10.1 U1#3.1
Board_0-/USB-: R13.1 U1#3.3
Board_0-GND: C1#10.2 C2#6.2 C3#8.2 C4#10.2 C5#8.2 C6#9.2 C7.1 C8#6.1 C9#8.1 C10#2.1 C11#10.2 C12#2.2 C13#4.2 C14#6.2 C15#3.2 C16#8.2 C17#6.2 C18.2 C19#3.2 FB1#8.2 J1#7.A1 J1#7.A12 J1#7.B1 J1#7.B12 J2#3.4 J2#3.5 J2#3.29 Q1#7.1 Q1#7.3 Q2#3.4 R6#3.2 R7.1 R8#2.1 R10#2.2 R15#8.2 R17#3.2 SW1#3.1 U1#3.2 U2#9.2 U3#5.4 U3#5.9 U4#10.19 U4#10.57 U5#2.2 Y1#2.2 Y1#2.4
Board_0-Net-(C1-Pad1): C1#10.1 C2#6.1 Q2#3.5 R4#9.2 R5#7.1
Board_0-Net-(C7-Pad2): C7.2 U4#10.20 Y1#2.3
Board_0-Net-(C8-Pad2): C8#6.2 R14#3.1 Y1#2.1
Board_0-Net-(D1-Pad1): D1#4.1 R10#2.1
Board_0-Net-(D1-Pad2): D1#4.2 JP1#9.2
Board_0-Net-(D2-Pad1): D2#4.1 R15#8.1
Board_0-Net-(FB1-Pad1): FB1#8.1 J1#7.S1
Board_0-Net-(J1-PadA5): J1#7.A5 R7.2
Board_0-Net-(J1-PadB5): J1#7.B5 R8#2.2
Board_0-Net-(Q1-Pad5): Q1#7.5 Q1#7.6 Q2#3.2 Q2#3.6 R2#3.2
Board_0-Net-(Q2-Pad1): Q2#3.1 R4#9.1
Board_0-Net-(R5-Pad2): R5#7.2 R6#3.1
Board_0-Net-(R14-Pad2): R14#3.2 U4#10.21
Board_0-unconnected-(J1-PadA8): J1#7.A8
Board_0-unconnected-(J1-PadB8): J1#7.B8
Board_0-unconnected-(U2-Pad5): U2#9.5
Board_0-unconnected-(U4-Pad29): U4#10.29
Board_0-unconnected-(U4-Pad36): U4#10.36
Board_0-VBUS: F1#10.1 J1#7.A4 J1#7.A9 J1#7.B4 J1#7.B9 R16#9.1
Board_1-+1V1: C10#6.2 C17#5.1 C19#4.1 U4#8.23 U4#8.45 U4#8.50
Board_1-+3V3: C5#7.1 C6#4.1 C9#2.2 C11#4.1 C12#7.1 C13.1 C14#9.1 C15#4.1 C16#10.1 C18#8.1 J2.27 JP1#5.1 R1#2.1 R2#9.1 R3#8.1 R11#6.1 U2#2.1 U3#10.8 U4#8.1 U4#8.10 U4#8.22 U4#8.33 U4#8.42 U4#8.43 U4#8.44 U4#8.48 U4#8.49 U5#4.1 U5#4.5
Board_1-+5V: C3#3.1 C4#4.1 F1#2.2 J2.30 U1#7.5 U2#2.3 U2#2.4 U5#4.6
Board_1-/0_TX0: J2.2 U4#8.2
Board_1-/1_RX0: J2.3 U4#8.3
Board_1-/2_SDA1: J2.6 U4#8.4
Board_1-/3_SCL1: J2.7 U4#8.5
Board_1-/4: J2.8 U4#8.6
Board_1-/5: J2.9 U4#8.7
Board_1-/6: J2.10 U4#8.8
Board_1-/7: J2.11 U4#8.9
Board_1-/8: J2.12 U4#8.11
Board_1-/9: J2.13 U4#8.12
Board_1-/10: J2.1 U4#8.13
Board_1-/11: J2.31 U4#8.14
Board_1-/12: J2.14 U4#8.15
Board_1-/13: J2.15 U4#8.16
Board_1-/14: J2.16 U4#8.17
Board_1-/15: J2.17 U4#8.18
Board_1-/16: J2.18 U4#8.27
Board_1-/20_SDI: J2.21 U4#8.31
Board_1-/21_CS: J2.19 U4#8.32
Board_1-/22_SCK: J2.22 U4#8.34
Board_1-/23_SDO: J2.20 U4#8.35
Board_1-/A0: J2.23 U4#8.38
Board_1-/A1: J2.24 U4#8.39
Board_1-/A2: J2.25 U4#8.40
Board_1-/A3: J2.26 U4#8.41
Board_1-/BOOT: Q2#7.3 R9#8.2
Board_1-/D+: R12#8.2 U4#8.47
Board_1-/D-: R13#10.2 U4#8.46
Board_1-/LED: D2#8.2 U4#8.28
Board_1-/PORT+: J1.A6 J1.B6 J2.34 U1#7.6
Board_1-/PORT-: J1.A7 J1.B7 J2.33 U1#7.4
Board_1-/QSPI_CLK: U3#10.6 U4#8.52
Board_1-/QSPI_CS: R9#8.1 R11#6.2 U3#10.1 U4#8.56
Board_1-/QSPI_SD0: U3#10.5 U4#8.53
Board_1-/QSPI_SD1: U3#10.2 U4#8.55
Board_1-/QSPI_SD2: U3#10.3 U4#8.54
Board_1-/QSPI_SD3: U3#10.7 U4#8.51
Board_1-/RESET: J2.28 Q1.2 R1#2.2 SW1#10.2
Board_1-/RGB_5V: J2.32 U5#4.4
Board_1-/RGB_DO: U4#8.37 U5#4.3
Board_1-/RST: Q1.4 R3#8.2 U4#8.26
Board_1-/SWD_CLK: TP1#7.1 U4#8.24
Board_1-/SWD_IO: TP2.1 U4#8.25
Board_1-/USB+: R12#8.1 U1#7.1
Board_1-/USB-: R13#10.1 U1#7.3
Board_1-GND: C1#9.2 C2#10.2 C3#3.2 C4#4.2 C5#7.2 C6#4.2 C7#3.1 C8#4.1 C9#2.1 C10#6.1 C11#4.2 C12#7.2 C13.2 C14#9.2 C15#4.2 C16#10.2 C17#5.2 C18#8.2 C19#4.2 FB1#3.2 J1.A1 J1.A12 J1.B1 J1.B12 J2.4 J2.5 J2.29 Q1.1 Q1.3 Q2#7.4 R6#2.2 R7#8.1 R8#6.1 R10#4.2 R15#4.2 R17#8.2 SW1#10.1 U1#7.2 U2#2.2 U3#10.4 U3#10.9 U4#8.19 U4#8.57 U5#4.2 Y1#5.2 Y1#5.4
Board_1-Net-(C1-Pad1): C1#9.1 C2#10.1 Q2#7.5 R4#3.2 R5#10.1
Board_1-Net-(C7-Pad2): C7#3.2 U4#8.20 Y1#5.3
Board_1-Net-(C8-Pad2): C8#4.2 R14#8.1 Y1#5.1
Board_1-Net-(D1-Pad1): D1#7.1 R10#4.1
Board_1-Net-(D1-Pad2): D1#7.2 JP1#5.2
Board_1-Net-(D2-Pad1): D2#8.1 R15#4.1
Board_1-Net-(FB1-Pad1): FB1#3.1 J1.S1
Board_1-Net-(J1-PadA5): J1.A5 R7#8.2
Board_1-Net-(J1-PadB5): J1.B5 R8#6.2
Board_1-Net-(Q1-Pad5): Q1.5 Q1.6 Q2#7.2 Q2#7.6 R2#9.2
Board_1-Net-(Q2-Pad1): Q2#7.1 R4#3.1
Board_1-Net-(R5-Pad2): R5#10.2 R6#2.1
Board_1-Net-(R14-Pad2): R14#8.2 U4#8.21
Board_1-unconnected-(J1-PadA8): J1.A8
Board_1-unconnected-(J1-PadB8): J1.B8
Board_1-unconnected-(U2-Pad5): U2#2.5
Board_1-unconnected-(U4-Pad29): U4#8.29
Board_1-unconnected-(U4-Pad36): U4#8.36
Board_1-VBUS: F1#2.1 J1.A4 J1.A9 J1.B4 J1.B9 R16#2.1
Board_2-+1V1: C10#4.2 C17#2.1 C19#10.1 U4#2.23 U4#2.45 U4#2.50
Board_2-+3V3: C5#4.1 C6#6.1 C9#9.2 C11#6.1 C12#9.1 C13#9.1 C14#4.1 C15#9.1 C16#9.1 C18#5.1 J2#5.27 JP1#2.1 R1#4.1 R2#5.1 R3#6.1 R11.1 U2#10.1 U3.8 U4#2.1 U4#2.10 U4#2.22 U4#2.33 U4#2.42 U4#2.43 U4#2.44 U4#2.48 U4#2.49 U5.1 U5.5
Board_2-+5V: C3#10.1 C4#2.1 F1#4.2 J2#5.30 U1#8.5 U2#10.3 U2#10.4 U5.6
Board_2-/0_TX0: J2#5.2 U4#2.2
Board_2-/1_RX0: J2#5.3 U4#2.3
Board_2-/2_SDA1: J2#5.6 U4#2.4
Board_2-/3_SCL1: J2#5.7 U4#2.5
Board_2-/4: J2#5.8 U4#2.6
Board_2-/5: J2#5.9 U4#2.7
Board_2-/6: J2#5.10 U4#2.8
Board_2-/7: J2#5.11 U4#2.9
Board_2-/8: J2#5.12 U4#2.11
Board_2-/9: J2#5.13 U4#2.12
Board_2-/10: J2#5.1 U4#2.13
Board_2-/11: J2#5.31 U4#2.14
Board_2-/12: J2#5.14 U4#2.15
Board_2-/13: J2#5.15 U4#2.16
Board_2-/14: J2#5.16 U4#2.17
Board_2-/15: J2#5.17 U4#2.18
Board_2-/16: J2#5.18 U4#2.27
Board_2-/20_SDI: J2#5.21 U4#2.31
Board_2-/21_CS: J2#5.19 U4#2.32
Board_2-/22_SCK: J2#5.22 U4#2.34
Board_2-/23_SDO: J2#5.20 U4#2.35
Board_2-/A0: J2#5.23 U4#2.38
Board_2-/A1: J2#5.24 U4#2.39
Board_2-/A2: J2#5.25 U4#2.40
Board_2-/A3: J2#5.26 U4#2.41
Board_2-/BOOT: Q2#5.3 R9#4.2
Board_2-/D+: R12#6.2 U4#2.47
Board_2-/D-: R13#7.2 U4#2.46
Board_2-/LED: D2#9.2 U4#2.28
Board_2-/PORT+: J1#3.A6 J1#3.B6 J2#5.34 U1#8.6
Board_2-/PORT-: J1#3.A7 J1#3.B7 J2#5.33 U1#8.4
Board_2-/QSPI_CLK: U3.6 U4#2.52
Board_2-/QSPI_CS: R9#4.1 R11.2 U3.1 U4#2.56
Board_2-/QSPI_SD0: U3.5 U4#2.53
Board_2-/QSPI_SD1: U3.2 U4#2.55
Board_2-/QSPI_SD2: U3.3 U4#2.54
Board_2-/QSPI_SD3: U3.7 U4#2.51
Board_2-/RESET: J2#5.28 Q1#9.2 R1#4.2 SW1#8.2
Board_2-/RGB_5V: J2#5.32 U5.4
Board_2-/RGB_DO: U4#2.37 U5.3
Board_2-/RST: Q1#9.4 R3#6.2 U4#2.26
Board_2-/SWD_CLK: TP1#4.1 U4#2.24
Board_2-/SWD_IO: TP2#4.1 U4#2.25
Board_2-/USB+: R12#6.1 U1#8.1
Board_2-/USB-: R13#7.1 U1#8.3
Board_2-GND: C1#7.2 C2#2.2 C3#10.2 C4#2.2 C5#4.2 C6#6.2 C7#7.1 C8#8.1 C9#9.1 C10#4.1 C11#6.2 C12#9.2 C13#9.2 C14#4.2 C15#9.2 C16#9.2 C17#2.2 C18#5.2 C19#10.2 FB1#5.2 J1#3.A1 J1#3.A12 J1#3.B1 J1#3.B12 J2#5.4 J2#5.5 J2#5.29 Q1#9.1 Q1#9.3 Q2#5.4 R6.2 R7#6.1 R8.1 R10#10.2 R15#3.2 R17#4.2 SW1#8.1 U1#8.2 U2#10.2 U3.4 U3.9 U4#2.19 U4#2.57 U5.2 Y1.2 Y1.4
Board_2-Net-(C1-Pad1): C1#7.1 C2#2.1 Q2#5.5 R4#7.2 R5#4.1
Board_2-Net-(C7-Pad2): C7#7.2 U4#2.20 Y1.3
Board_2-Net-(C8-Pad2): C8#8.2 R14#10.1 Y1.1
Board_2-Net-(D1-Pad1): D1.1 R10#10.1
Board_2-Net-(D1-Pad2): D1.2 JP1#2.2
Board_2-Net-(D2-Pad1): D2#9.1 R15#3.1
Board_2-Net-(FB1-Pad1): FB1#5.1 J1#3.S1
Board_2-Net-(J1-PadA5): J1#3.A5 R7#6.2
Board_2-Net-(J1-PadB5): J1#3.B5 R8.2
Board_2-Net-(Q1-Pad5): Q1#9.5 Q1#9.6 Q2#5.2 Q2#5.6 R2#5.2
Board_2-Net-(Q2-Pad1): Q2#5.1 R4#7.1
Board_2-Net-(R5-Pad2): R5#4.2 R6.1
Board_2-Net-(R14-Pad2): R14#10.2 U4#2.21
Board_2-unconnected-(J1-PadA8): J1#3.A8
Board_2-unconnected-(J1-PadB8): J1#3.B8
